# Allegro board reComputer J401_V1.0.brd (continued)
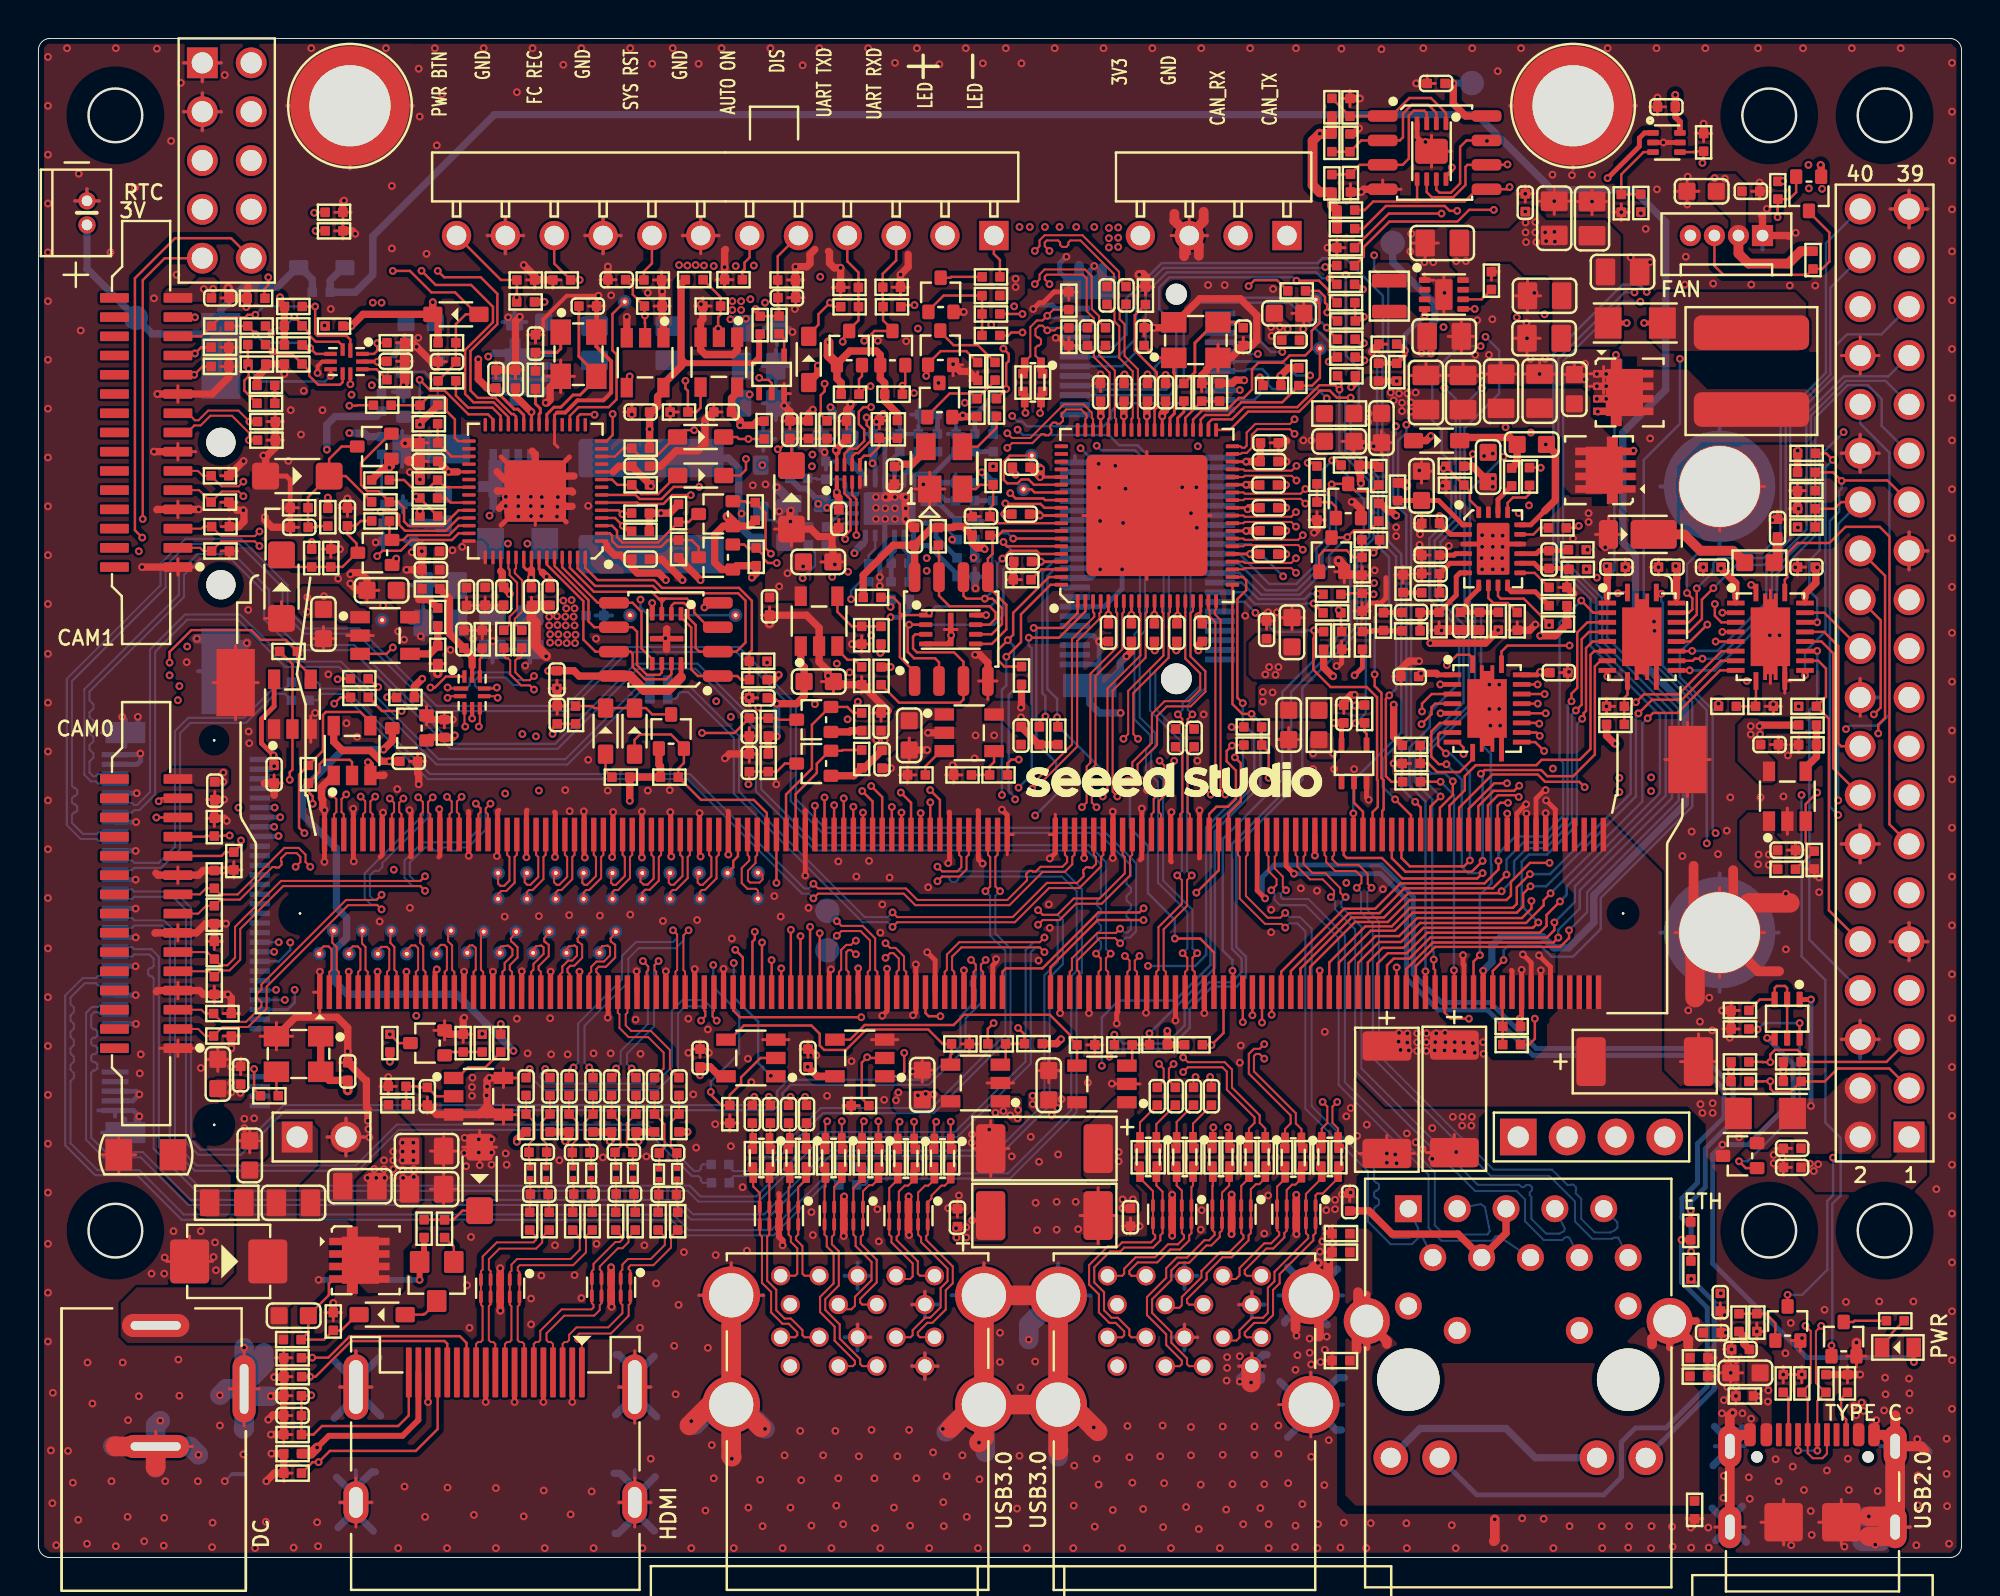
[diagram p0: board, top side]
## Routing (per net, layer and track width the routed paths; a pad name or vN(x,y) marks a point on that pad's centre or on a via; arc(x,y) is an arc through that point) (continued)
  TOP w0.127: J11.122 v1(44.87,38.74) ; J9.12 8.67,37.49 8.7,37.52 D19.2 9.52,37.52 9.55,37.55 v1(9.94,37.55)
  LAY4 w0.127: v1(9.94,37.55) 9.94,37.3 10.53,36.71 13.58,36.71 14.69,37.83 19.87,37.83 20.31,37.4 43.9,37.4 44.87,38.37 v1(44.87,38.74)
CAM1_PWDN: length 38.3
  TOP w0.127: U45.2 16.31,41.37 16.19,41.49 14.85,41.49 14.62,41.26 14.62,40.86 R284.1 14.03,39.82 14.26,39.59 v1(14.26,39.2) ; v1(44.37,39.03) J11.120
  LAY4 w0.127: v1(14.26,39.2) 14.26,38.81 15.01,38.06 20.43,38.06 20.82,37.68 43.65,37.68 44.37,38.4 v1(44.37,39.03)
CAM1_PWDN_LS: length 17.2
  TOP w0.127: U45.4 17.26,43.45 16.74,43.97 14.95,43.97 14.79,43.82 14.79,41.96 R284.2 13.55,40.71 13.55,37.95 v1(13.83,37.68) ; v1(10.53,37.29) 10.53,37.06 D18.2 9.72,36.69 9.52,36.49 J9.11
  LAY4 w0.127: v1(13.83,37.68) 13.17,37.01 10.81,37.01 v1(10.53,37.29)
CAM_I2C_SCL: length 149.3
  TOP w0.127: v1(11.29,63.61) 11.29,63.64 R209.1 R208.1 ; U28.66 52.31,54.59 52.11,54.8 50.33,54.8 50.3,54.82 v1(50.28,54.82) ; R196.2 13.9,62.87 14.11,62.87 v1(14.13,62.89) 14.43,62.6 U36.3 ; v1(79.12,34.12) 78.42,33.42 78.42,32.85 78.07,32.49 72.22,32.49 71.15,31.43 70.17,31.43 69.62,30.89 J11.213
  LAY3 w0.127: v1(50.74,65.07) 50.43,64.76 50.43,63.58 52.95,61.07 52.95,55.96 51.73,54.74 50.75,54.74 50.67,54.82 v1(50.28,54.82)
  LAY4 w0.127: v1(14.13,62.89) 16.19,62.89 19.04,65.74 20.03,65.74 20.66,66.38 26.76,66.38 27.55,65.59 28.21,65.59 29.13,66.52 35.39,66.52 35.42,66.49 39.63,66.49 40.17,65.95 48.07,65.95 48.95,65.07 v1(50.74,65.07) 51.01,65.35 54.81,65.35 56.86,67.39 65.75,67.39 67.07,66.07 68.08,66.07 68.72,66.71 82.74,66.71 v1(83.63,65.82)
  BOTTOM w0.127: v1(79.12,34.12) 79.4,34.4 79.4,34.41 79.46,34.48 79.46,34.91 84.31,39.76 84.31,43.8 80.71,47.4 80.71,49.84 78.78,51.77 78.78,62.59 82.38,66.2 83.25,66.2 v1(83.63,65.82) ; v1(11.29,63.61) 11.72,63.18 13.85,63.18 v1(14.13,62.89)
CAM_I2C_SDA: length 147.5
  TOP w0.127: R173.1 10.71,60.68 10.71,61.21 10.93,61.44 v1(10.93,61.83) 10.93,62.03 R192.2 10.9,62.51 10.89,62.52 R197.1 ; v1(15.19,61.45) U36.5 ; U28.65 52.34,54.99 52.26,55.08 50.81,55.08 v1(50.53,55.35) ; J11.215 70.12,30.8 70.47,31.15 71.28,31.15 72.38,32.24 78.43,32.24 78.83,32.63 v1(78.83,33.03)
  LAY3 w0.127: v1(50.53,55.35) 50.84,55.05 51.6,55.05 52.72,56.17 52.72,60.94 v1(49.54,64.12)
  LAY4 w0.127: v1(15.19,61.45) 19.18,65.44 20.05,65.44 20.66,66.05 26.77,66.05 27.45,65.36 28.3,65.36 29.2,66.26 35.32,66.26 35.33,66.26 39.54,66.26 40.07,65.72 47.94,65.72 v1(49.54,64.12) 49.94,64.12 50.01,64.19 51.55,64.19 52.36,65.01 54.88,65.01 56.98,67.11 65.67,67.11 66.94,65.84 68.21,65.84 68.82,66.45 82.33,66.45 v1(82.99,65.79)
  BOTTOM w0.127: v1(10.93,61.83) 11.61,61.16 14.9,61.16 v1(15.19,61.45) ; v1(78.83,33.03) 79.9,34.09 79.9,34.91 84.62,39.63 84.62,43.9 81.01,47.51 81.01,49.86 79.03,51.84 79.03,62.35 82.47,65.79 v1(82.99,65.79)
CAM_MUX_OE*: length 1.5
  TOP w0.127: R186.1 17.58,61.8 U36.8
CAM_MUX_SEL: length 59.3
  TOP w0.127: R200.1 17.64,63.18 v1(17.61,63.15) 17.61,62.76 17.45,62.6 U36.10 ; J11.130 46.87,39.4 v1(46.37,39.91)
  LAY3 w0.127: v1(45.73,63.91) 45.73,63.52 45.66,63.44 45.66,61.04 46.67,60.03 46.67,51.21 45.88,50.43 45.88,48.28 45.78,48.18 45.78,40.89 46.37,40.3 v1(46.37,39.91)
  LAY4 w0.127: v1(45.73,63.91) 40.19,63.91 39.48,63.2 29.55,63.2 28.23,64.52 26.38,64.52 25.84,65.06 23.86,65.06 23.71,64.9 19.37,64.9 v1(17.61,63.15)
CAN_RX: length 50.3
  TOP w0.127: v1(57.47,33.76) 57.25,33.55 55.12,33.55 52.21,30.64 50.3,30.64 50.12,30.47 J11.143
  LAY3 w0.127: J16.2 63.42,67.71 63.42,63.14 63.94,62.62 63.94,61.02 64.12,60.84 64.12,55.72 64.02,55.62 64.02,50.71 64.88,49.84 64.88,44.05 64.6,43.77 64.6,40.55 61.71,37.65 59.42,37.65 58.51,36.74 58.51,34.81 v1(57.47,33.76)
CAN_TX: length 48.5
  TOP w0.127: v1(57.47,33.15) 55.08,33.15 52.62,30.7 J11.145
  LAY3 w0.127: v1(57.47,33.15) 58.81,34.5 58.81,36.63 59.6,37.42 61.8,37.42 64.83,40.45 64.83,43.68 65.16,44.01 65.16,49.99 64.3,50.86 64.3,55.51 64.4,55.61 64.4,60.94 64.2,61.14 64.2,62.75 63.65,63.29 63.65,67.48 J16.1
CCM/AAM_DC1: length 3.6
  BOTTOM w0.254: R77.2 R89.1 C188.1 47.18,54.97 46.85,55.3 U9.7
CCM/AAM_DC2: length 3.8
  TOP w0.254: R251.2 R272.1 C191.1 74.28,49.49 74.28,49.77 74.9,50.38 U10.7
CGND: length 13.9
  TOP w0.381: 84.83,10.92 J6.20 86.2,12.3 ; 69.08,13.68 J6.19 69.08,10.92
  TOP w0.508: 85.79,10.98 85.79,11.34 J6.20 83.91,11.38 83.91,11.08 ; 68.62,13.8 68.62,12.76 J6.19 ; 68.54,10.8 68.54,11.77 J6.19 ; 70.12,11.11 70.12,11.26 J6.19
COMP_DC1: length 2.9
  BOTTOM w0.254: C185.1 C189.1 45.41,57.16 45.41,56.74 45.01,56.33 U9.5
COMP_DC2: length 2.6
  TOP w0.254: C182.1 C192.1 73.4,51.71 U10.5
CSI0_CLK_N: length 30
  TOP w0.107: D35.2 v1(10.95,58.11) 10.95,58.49 10.06,59.38 8.94,59.38 8.43,58.87 8.1,58.87 7.74,58.51 J12.8 ; v1(16.76,39.57) 16.99,39.34 16.99,38.77 16.87,38.66 J11.10
  LAY3 w0.084: v1(10.95,58.11) 10.97,58.11 11.34,58.47 11.72,58.47 12.17,58.02 12.17,54.09 12.93,53.33 12.93,43.5 15.15,41.27 16.07,41.27 17,40.34 17,39.82 v1(16.76,39.57)
CSI0_CLK_P: length 29.9
  TOP w0.107: J11.12 17.37,38.66 17.26,38.77 17.26,39.32 v1(17.51,39.57) ; D36.2 v1(10.97,59.08) 10.4,59.65 8.83,59.65 8.32,59.14 8.13,59.14 7.77,59.51 J12.9
  LAY3 w0.084: v1(17.51,39.57) 17.24,39.84 17.24,40.44 16.17,41.51 15.25,41.51 13.17,43.59 13.17,53.42 12.41,54.19 12.41,58.12 11.82,58.71 11.34,58.71 v1(10.97,59.08)
CSI0_D0_N: length 22.9
  TOP w0.107: J12.2 8.41,52.51 8.57,52.34 D25.2 9.51,52.85 11.25,52.85 v1(11.49,52.61) ; v1(15.25,39.69) 15.49,39.44 15.49,38.77 15.37,38.66 J11.4
  LAY3 w0.084: v1(11.49,52.61) 11.75,52.87 11.95,52.87 12.12,52.69 12.12,52.28 12.04,52.19 11.98,52.19 11.9,52.11 11.9,51.94 11.98,51.86 12.04,51.86 12.12,51.78 12.12,42.78 14.57,40.33 15.31,40.33 15.51,40.13 15.51,39.95 v1(15.25,39.69)
CSI0_D0_P: length 23
  TOP w0.107: v1(16,39.69) 15.76,39.44 15.76,38.77 15.88,38.66 J11.6 ; v1(11.49,53.36) 11.25,53.12 9.5,53.12 D26.2 8.57,53.61 8.47,53.51 J12.3
  LAY3 w0.084: v1(11.49,53.36) 11.75,53.1 12.05,53.1 12.36,52.79 12.36,42.88 14.67,40.57 15.4,40.57 15.74,40.23 15.74,39.95 v1(16,39.69)
CSI0_D1_N: length 31.9
  TOP w0.107: v1(18.27,39.47) 18.49,39.26 18.49,38.77 18.37,38.66 J11.16 ; J12.5 8.35,55.51 D27.2 9.53,55.44 10.41,55.44 v1(10.66,55.2)
  LAY3 w0.084: v1(10.66,55.2) 10.4,55.46 10.12,55.46 9.77,55.1 9.77,54.75 9.85,54.66 9.89,54.66 9.97,54.58 9.97,54.41 9.89,54.33 9.85,54.33 9.77,54.24 9.77,54.07 9.85,53.99 9.89,53.99 9.97,53.91 9.97,53.74 9.89,53.66 9.85,53.66 9.77,53.57 9.77,53.12 11.58,51.31 11.58,41.27 14.49,38.36 16.39,38.36 16.48,38.45 16.48,38.51 16.56,38.59 16.73,38.59 16.81,38.51 16.81,38.45 16.9,38.36 17.06,38.36 17.15,38.45 17.15,38.51 17.23,38.59 17.4,38.59 17.48,38.51 17.48,38.45 17.57,38.36 18.3,38.36 18.51,38.57 18.51,39.24 v1(18.27,39.47)
CSI0_D1_P: length 32
  TOP w0.107: v1(10.66,55.95) 10.41,55.71 9.52,55.71 D31.2 8.55,56.26 8.29,56.51 J12.6 ; J11.18 18.87,38.66 18.76,38.77 18.76,39.26 v1(18.98,39.47)
  LAY3 w0.084: v1(18.98,39.47) 18.74,39.24 18.74,38.47 18.4,38.13 14.39,38.13 11.34,41.18 11.34,51.21 9.53,53.02 9.53,55.2 10.02,55.69 10.39,55.69 v1(10.66,55.95)
CSI1_CLK_N: length 3.2
  TOP w0.107: TP2.1 16.15,31.6 16.34,31.78 16.6,31.78 16.74,31.64 16.74,30.57 16.62,30.46 J11.9
CSI1_CLK_P: length 3.3
  TOP w0.107: J11.11 17.12,30.46 17.01,30.57 17.01,31.75 16.83,31.94 16.83,32.58 TP9.1
CSI1_D0_N: length 3.2
  TOP w0.107: J11.3 15.12,30.46 15.24,30.57 15.24,31.63 15.09,31.78 14.82,31.78 14.6,31.56 TP1.1
CSI1_D0_P: length 3.4
  TOP w0.107: J11.5 15.62,30.46 15.51,30.57 15.51,31.74 15.28,31.98 15.28,32.53 TP8.1
CSI1_D1_N: length 3.2
  TOP w0.107: J11.15 18.12,30.46 18.24,30.57 18.24,31.64 18.12,31.76 17.82,31.76 17.65,31.59 TP3.1
CSI1_D1_P: length 3.4
  TOP w0.107: J11.17 18.62,30.46 18.51,30.57 18.51,31.75 18.3,31.96 18.3,32.55 TP10.1
CSI2_CLK_N: length 21.3
  TOP w0.107: v1(13.38,35.92) 13.62,36.17 13.62,36.44 13.42,36.63 12.89,36.63 12.62,36.36 12.62,36.21 12.64,36.18 12.64,36.03 12.49,35.88 12.34,35.88 12.32,35.91 12.16,35.91 10.47,34.21 9.46,34.21 D16.2 8.71,33.89 8.31,33.49 J9.8 ; J11.28 21.37,38.66 21.49,38.77 21.49,39.32 v1(21.25,39.56)
  LAY3 w0.084: v1(13.38,35.92) 13.63,36.17 13.63,36.58 14.35,37.31 18.79,37.31 19.78,38.29 21.22,38.29 21.51,38.57 21.51,39.3 v1(21.25,39.56)
CSI2_CLK_P: length 21.5
  TOP w0.107: J11.30 21.87,38.66 21.76,38.77 21.76,39.32 v1(22,39.56) ; J9.9 8.4,34.49 8.71,34.8 D17.2 9.46,34.48 10.36,34.48 12.78,36.9 13.53,36.9 13.89,36.55 13.89,36.17 v1(14.13,35.92)
  LAY3 w0.084: v1(22,39.56) 21.74,39.3 21.74,38.48 21.32,38.06 19.87,38.06 18.89,37.07 14.45,37.07 13.86,36.49 13.86,36.19 v1(14.13,35.92)
CSI2_D0_N: length 24.1
  TOP w0.107: v1(17.84,33.71) 17.62,33.93 16.1,33.93 11.86,29.69 11.86,28.55 10.91,27.59 9.82,27.59 9.62,27.59 9.57,27.59 D12.2 8.67,27.12 8.31,27.49 J9.2 ; v1(19.75,39.54) 19.99,39.29 19.99,38.77 19.87,38.66 J11.22
  BOTTOM w0.107: v1(19.75,39.54) 19.99,39.29 19.99,38.6 16.96,35.58 16.96,34.29 17.3,33.95 17.6,33.95 v1(17.84,33.71)
CSI2_D0_P: length 23.9
  TOP w0.107: v1(20.5,39.54) 20.26,39.29 20.26,38.77 20.37,38.66 J11.24 ; v1(17.84,34.47) 17.57,34.2 15.99,34.2 11.59,29.8 11.59,29.53 11.49,29.43 11.47,29.43 11.37,29.32 11.37,29.11 11.47,29 11.49,29 11.59,28.89 11.59,28.66 10.8,27.86 9.82,27.86 9.57,27.86 9.53,27.86 D13.2 8.67,28.29 8.48,28.49 J9.3
  BOTTOM w0.107: v1(20.5,39.54) 20.26,39.29 20.26,38.49 17.89,36.12 17.89,35.92 17.69,35.72 17.48,35.72 17.23,35.47 17.23,34.4 17.41,34.22 17.6,34.22 v1(17.84,34.47)
CSI2_D1_N: length 26
  TOP w0.107: v1(22.75,39.21) 22.99,38.96 22.99,38.77 22.87,38.66 J11.34 ; v1(20.1,34.67) 19.86,34.92 12.72,34.92 10.49,32.69 10.49,31.09 9.94,30.53 9.46,30.53 D14.2 8.87,30.49 J9.5
  BOTTOM w0.107: v1(22.75,39.21) 22.99,38.96 22.99,37.97 22.21,37.19 19.98,37.19 19.04,36.25 19.04,35.34 19.46,34.92 19.86,34.92 v1(20.1,34.67)
CSI2_D1_P: length 25.8
  TOP w0.107: J9.6 8.78,31.49 D15.2 9.46,30.8 9.82,30.8 10.22,31.2 10.22,32.8 12.61,35.19 19.86,35.19 v1(20.1,35.43) ; v1(23.5,39.21) 23.26,38.96 23.26,38.77 23.37,38.66 J11.36
  BOTTOM w0.107: v1(20.1,35.43) 19.86,35.19 19.57,35.19 19.31,35.45 19.31,36.14 20.09,36.92 20.43,36.92 20.6,36.76 20.86,36.76 21.02,36.92 21.29,36.92 21.45,36.76 21.71,36.76 21.88,36.92 22.32,36.92 23.26,37.86 23.26,38.96 v1(23.5,39.21)
CSI3_CLK_N: length 3.3
  TOP w0.107: TP5.1 20.7,31.64 20.92,31.86 21.11,31.86 21.24,31.73 21.24,30.57 21.12,30.46 J11.27
CSI3_CLK_P: length 3.4
  TOP w0.107: J11.29 21.62,30.46 21.51,30.57 21.51,31.84 21.3,32.05 21.3,32.45 TP12.1
CSI3_D0_N: length 3.3
  TOP w0.107: J11.21 19.62,30.46 19.74,30.57 19.74,31.69 19.6,31.83 19.39,31.83 19.15,31.59 TP4.1
CSI3_D0_P: length 3.3
  TOP w0.107: TP11.1 19.85,32.55 19.85,31.96 20.01,31.8 20.01,30.57 20.12,30.46 J11.23
CSI3_D1_N: length 3.2
  TOP w0.107: J11.33 22.62,30.46 22.74,30.57 22.74,31.71 22.56,31.84 22.41,31.82 22.28,31.65 TP6.1
CSI3_D1_P: length 3.2
  TOP w0.107: J11.35 23.12,30.46 23.01,30.57 23.01,32.37 TP7.1
CSI4_CLK_N: length 3.7
  TOP w0.107: J11.52 27.37,36.54 27.49,36.43 27.49,35.39 27.08,34.98 26.95,34.98 26.81,35.12 26.81,35.51 TP23.1
CSI4_CLK_P: length 3.8
  TOP w0.107: TP15.1 26.9,34.58 27.03,34.71 27.19,34.71 27.76,35.28 27.76,36.43 27.87,36.54 J11.54
CSI4_D0_N: length 3.7
  TOP w0.107: J11.46 25.87,36.54 25.99,36.43 25.99,35.39 25.58,34.98 25.42,34.98 25.29,35.12 25.29,35.49 TP22.1
CSI4_D0_P: length 3.9
  TOP w0.107: J11.48 26.37,36.54 26.26,36.43 26.26,35.28 25.69,34.71 25.51,34.71 25.4,34.61 TP14.1
CSI4_D1_N: length 3.7
  TOP w0.107: TP24.1 28.28,35.53 28.28,35.09 28.39,34.98 28.53,34.98 28.99,35.44 28.99,36.43 28.87,36.54 J11.58
CSI4_D1_P: length 3.9
  TOP w0.107: TP16.1 28.35,34.58 28.48,34.71 28.64,34.71 29.26,35.33 29.26,36.43 29.37,36.54 J11.60
CSI4_D2_N: length 3.7
  TOP w0.107: TP21.1 23.9,35.05 24.02,34.93 24.22,34.93 24.49,35.2 24.49,36.43 24.37,36.54 J11.40
CSI4_D2_P: length 3.9
  TOP w0.107: TP13.1 23.9,34.5 24.07,34.66 24.33,34.66 24.76,35.09 24.76,36.43 24.87,36.54 J11.42
CSI4_D3_N: length 3.7
  TOP w0.107: J11.64 30.37,36.54 30.49,36.43 30.49,35.44 30.03,34.98 29.89,34.98 29.78,35.09 29.78,35.53 TP25.1
CSI4_D3_P: length 3.9
  TOP w0.107: J11.66 30.87,36.54 30.76,36.43 30.76,35.33 30.14,34.71 29.96,34.71 29.85,34.61 TP17.1
CSI5_CLK_N: length 3.7
  TOP w0.107: TP27.1 32.78,35.53 32.78,35.09 32.89,34.98 33.03,34.98 33.49,35.44 33.49,36.43 33.37,36.54 J11.76
CSI5_CLK_P: length 3.9
  TOP w0.107: TP19.1 32.85,34.58 32.98,34.71 33.14,34.71 33.76,35.33 33.76,36.43 33.87,36.54 J11.78
CSI5_D0_N: length 3.7
  TOP w0.107: TP26.1 31.3,35.5 31.3,35.16 31.46,35 31.68,35 31.99,35.31 31.99,36.43 31.87,36.54 J11.70
CSI5_D0_P: length 3.9
  TOP w0.107: TP18.1 31.4,34.58 31.55,34.73 31.79,34.73 32.26,35.2 32.26,36.43 32.37,36.54 J11.72
CSI5_D1_N: length 3.7
  TOP w0.107: TP28.1 34.27,35.51 34.28,35.1 34.41,34.98 34.54,34.98 34.99,35.43 34.99,36.43 34.87,36.54 J11.82
CSI5_D1_P: length 3.9
  TOP w0.107: J11.84 35.37,36.54 35.26,36.43 35.26,35.32 34.66,34.72 34.49,34.71 34.39,34.6 TP20.1
DAT_CC1: length 2.3
  TOP w0.127: R2.1 91,8.32 J1.A5
DAT_CC2: length 2.5
  TOP w0.127: J1.B5 94,7.18 93.74,7.44 93.74,8.26 R3.1
DCIN_SENSE: length 3.7
  TOP w0.127: U43.2 20.68,23.99 C187.1 19.78,24.45 19.73,24.51 R246.1 19.11,24.06 19.12,24.06 R247.2
DCJ_IN: length 7.5
  TOP w0.305: v1(19.82,14.44) Q35.2 20.05,15.61 R259.1
  BOTTOM w0.305: v1(19.82,14.44) v1(14.57,14.44)
DISCHG_3V3_SYS: length 5.1
  BOTTOM w0.127: R255.2 17.84,61.25 18.26,61.66 Q10.1 20.07,61.66 20.76,60.97 Q9.3
EN_DC1: length 5.3
  BOTTOM w0.127: C25.1 39.22,56.9 R13.2 40.43,56.12 40.48,56.07 R24.1 41.79,56.07 42,55.86 42,55.46 42.15,55.3 U9.20
EN_PWR_PATH: length 13.4
  TOP w0.127: Q4.1 88.78,20.25 v1(88.43,20.61) ; Q11.6 v1(91.58,27.79) ; R79.1 88.96,27.46 v1(89.39,27.46)
  BOTTOM w0.127: v1(88.43,20.61) 88.89,20.61 91.58,23.3 v1(91.58,27.79) 89.72,27.79 v1(89.39,27.46)
EPWRON: length 5.8
  TOP w0.127: TP34.1 50.51,57.31 50.2,57 50.2,56.82 50.2,56.04 50.38,55.86 50.91,55.86 51.12,56.07 51.49,56.07 51.76,55.79 U28.63
FAN_PWM: length 48.2
  TOP w0.127: U11.4 86.1,73.09 86.15,73.13 R217.1 86.59,72.59 v1(86.52,72.52) ; J11.230 73.87,38.99 75.6,40.72 77.96,40.72 78.35,40.34 80.12,40.34 v1(80.4,40.06)
  LAY3 w0.127: v1(80.4,40.06) 80.71,40.37 80.71,44.43 80.25,44.89 80.25,48.34 79.08,49.51 79.08,54.44 79.64,55 79.64,65.64 82.79,68.79 82.79,70.54 84.77,72.52 v1(86.52,72.52)
FAN_PWM_Q*: length 3.1
  TOP w0.127: R270.2 v1(83.32,69.91)
  LAY3 w0.127: J13.4 84.74,69.91 v1(83.32,69.91)
FAN_TACH: length 57.3
  TOP w0.127: v1(90.44,69.7) 90.44,70.12 90.45,70.14 R218.2 91.05,70.64 91.4,71 Q33.2 ; J11.208 v1(68.38,38.7)
  LAY4 w0.127: v1(90.44,69.7) 85.46,69.7 82.69,66.94 70.64,66.94 69.85,67.72 v1(69.46,67.72)
  BOTTOM w0.127: v1(68.38,38.7) 68.38,40.41 70.87,42.9 70.87,52.19 70.19,52.86 70.19,58.25 69.89,58.55 69.89,62.21 70.19,62.52 70.19,66.25 69.46,66.99 v1(69.46,67.72)
FAN_TACH_CON: length 11.1
  TOP w0.127: Q33.3 92.07,69.97 93.13,68.91 93.13,67.39 92.75,67.01 R235.2 91.97,66.71 87.62,66.71 87.15,67.17 J13.3
FB_0.8V_DC1: length 4.9
  BOTTOM w0.254: C184.2 R68.2 R88.1 46.55,56.34 45.68,56.34 45.51,56.17 U9.6
FB_0.8V_DC2: length 4.8
  TOP w0.254: U10.6 73.92,51.21 73.72,51.01 73.72,50.05 R253.1 71.85,49.16 C181.2 R250.2
FORCE_OFF*: length 14.8
  TOP w0.127: v1(34.1,58.63) 33.59,58.63 D34.1 33.13,58.27 32.07,57.21 31.34,57.21 R156.2 30.41,57.69 29.98,57.26 U29.12 ; v1(38.44,57.64) 38.53,57.64 C130.1 ; C130.1 R164.1 R165.2 ; C130.1 39.16,58.11 D29.2
  LAY4 w0.127: v1(34.1,58.63) 35.14,57.59 38,57.59 38.05,57.64 v1(38.44,57.64)
FORCE_RECOVERY*: length 76.5
  TOP w0.127: v1(28.14,66.44) D47.2 26.82,67.3 J15.10 ; v1(69.48,45.93) 69.48,45.32 69.84,44.97 69.84,40.54 69.95,40.43 69.95,38.91 69.87,38.83 J11.214
  LAY4 w0.127: v1(28.14,66.44) 28.19,66.44 29.37,67.62 40.32,67.62 41.67,66.28 48.17,66.28 48.86,65.59 54.67,65.59 56.7,67.62 67.07,67.62 v1(67.98,66.71)
  BOTTOM w0.127: v1(69.48,45.93) 69.48,48.88 70.23,49.63 70.23,52.01 69.66,52.59 69.66,56.19 68.24,57.61 68.24,59.57 68.67,60 68.67,61.83 67.98,62.52 v1(67.98,66.71)
FREQ_DC1: length 2
  BOTTOM w0.254: U9.8 46.85,54.8 47.4,54.25 47.43,54.25 R94.1
FREQ_DC2: length 2.5
  TOP w0.127: R275.1 76.41,49.64 75.65,49.64 75.4,49.9 U10.8
GBE_LED_ACT: length 41.7
  TOP w0.254: v1(85.94,15.91) 85.94,15.43 R6.1 ; J11.194 64.87,35.97 v1(65.29,35.56)
  BOTTOM w0.254: v1(65.29,35.56) 69.79,35.56 71.13,34.22 71.13,30.11 72.76,28.48 75.35,28.48 77.71,26.12 85.89,26.12 87.64,24.37 87.64,22.89 86.27,21.52 86.27,19.49 85.46,18.68 85.46,17.66 85.94,17.18 v1(85.94,15.91)
GBE_LED_LINK: length 44.5
  TOP w0.254: J11.188 63.37,34.69 v1(63.78,34.28) ; R9.1 v1(85.92,18.05)
  BOTTOM w0.254: v1(85.92,18.05) 85.92,18.5 86.68,19.26 86.68,21.27 88.12,22.71 88.12,24.47 86.12,26.47 77.89,26.47 75.5,28.86 72.96,28.86 71.49,30.33 71.49,34.37 69.84,36.02 64.27,36.02 63.64,35.39 63.64,34.42 v1(63.78,34.28)
GBE_MDI0_N: length 28.8
  TOP w0.102: v1(64.83,32.76) 64.64,32.95 63.78,32.95 62.46,34.27 62.46,36.45 62.37,36.53 J11.184
  BOTTOM w0.102: v1(64.83,32.76) 65.05,32.98 65.47,32.98 65.88,32.57 65.88,23.34 69.13,20.09 69.13,17.47 70.31,16.29 71.43,16.29 71.77,16.64 71.85,16.68 71.99,16.63 J6.2
GBE_MDI0_P: length 28.6
  TOP w0.102: J11.186 62.87,36.53 62.79,36.45 62.79,34.41 63.92,33.28 64.58,33.28 v1(64.83,33.53)
  BOTTOM w0.102: J6.1 71.75,17.11 71.71,16.97 71.58,16.91 71.29,16.62 70.45,16.62 69.46,17.61 69.46,18.17 69.56,18.27 69.61,18.27 69.71,18.37 69.71,18.58 69.61,18.68 69.56,18.68 69.46,18.78 69.46,18.98 69.56,19.09 69.61,19.09 69.71,19.19 69.71,19.39 69.61,19.49 69.56,19.49 69.46,19.59 69.46,20.23 66.2,23.48 66.2,32.7 65.6,33.3 65.06,33.3 v1(64.83,33.53)
GBE_MDI1_N: length 31
  TOP w0.102: J11.190 63.87,36.53 63.96,36.45 63.96,35.7 64.38,35.28 64.38,34.98 v1(64.11,34.7)
  BOTTOM w0.102: J6.6 76.61,16.25 75.9,16.72 75.76,16.69 75.66,16.55 75.59,16.48 72.95,16.48 72.28,17.14 72.28,19.91 67.61,24.59 67.61,32.21 65.89,33.92 64.56,33.92 64.28,34.2 64.28,34.53 v1(64.11,34.7)
GBE_MDI1_P: length 30.8
  TOP w0.102: v1(64.87,34.7) 64.71,34.87 64.71,35.41 64.29,35.83 64.29,36.45 64.38,36.53 J11.192
  BOTTOM w0.102: J6.3 74.99,18.38 75.22,18.23 75.47,16.98 75.35,16.8 73.08,16.8 72.61,17.28 72.61,20.05 67.93,24.72 67.93,32.34 66.03,34.25 64.7,34.25 64.6,34.34 64.6,34.53 64.78,34.7 v1(64.87,34.7)
GBE_MDI2_N: length 30.8
  TOP w0.102: v1(67.21,34.35) 67.25,34.35 67.37,34.48 67.37,34.68 67.23,34.82 66.78,35.27 66.12,35.27 65.46,35.93 65.46,36.45 65.38,36.53 J11.196
  BOTTOM w0.102: v1(67.21,34.35) 67.43,34.12 67.43,33.71 68.47,32.67 68.47,25.3 74.71,19.06 76.86,19.06 77.3,18.62 77.3,17.48 78.27,16.52 79.25,16.52 79.34,16.61 79.47,16.68 79.61,16.63 J6.8
GBE_MDI2_P: length 30.6
  TOP w0.102: J11.198 65.87,36.53 65.79,36.45 65.79,36.06 66.26,35.59 66.92,35.59 67.46,35.05 67.7,34.81 67.7,34.56 67.91,34.35 v1(67.97,34.35)
  BOTTOM w0.102: J6.7 79.37,17.11 79.33,16.97 79.15,16.88 79.11,16.84 78.4,16.84 77.63,17.62 77.63,18.76 77.55,18.84 77.55,18.98 77.67,19.11 77.67,19.25 77.55,19.37 77.36,19.37 77.26,19.27 77.12,19.27 77,19.39 74.84,19.39 68.8,25.43 68.8,32.8 67.75,33.84 67.75,34.13 v1(67.97,34.35)
GBE_MDI3_N: length 31.9
  TOP w0.102: J11.202 66.87,36.53 66.96,36.45 66.96,36.17 67.43,35.7 68.51,35.7 68.8,35.41 68.8,35.07 v1(68.55,34.83)
  BOTTOM w0.102: v1(68.55,34.83) 68.78,34.61 68.78,33.55 69.38,32.94 69.38,25.98 75.52,19.85 78.57,19.85 79.9,18.52 79.9,17.47 80.79,16.58 81.82,16.58 81.93,16.64 82.14,16.64 82.16,16.62 J6.10
GBE_MDI3_P: length 31.7
  TOP w0.102: J11.204 67.38,36.53 67.29,36.45 67.29,36.3 67.56,36.02 68.64,36.02 69.12,35.55 69.12,35.03 v1(69.32,34.83)
  BOTTOM w0.102: v1(69.32,34.83) 69.1,34.61 69.1,33.69 69.71,33.08 69.71,26.12 75.65,20.17 78.7,20.17 79.51,19.37 79.65,19.37 79.67,19.39 79.82,19.39 79.96,19.25 79.96,19.1 79.94,19.08 79.94,18.94 80.23,18.65 80.23,17.61 80.93,16.91 81.74,16.91 81.99,17.03 82.1,17.15 82.1,17.43 J6.9
GPIO01: length 56
  TOP w0.127: v1(43.3,40.12) 43.87,39.55 J11.118 ; U37.9 v1(81.58,45.82)
  LAY3 w0.127: v1(43.3,40.12) 43.3,40.52 43.02,40.8 43.02,47.68 v1(43.29,47.96) ; v1(81.04,50.96) 81.04,46.36 v1(81.58,45.82)
  LAY4 w0.127: v1(43.29,47.96) 43.69,47.96 44.31,47.34 54.13,47.34 54.9,48.11 65.62,48.11 66.13,48.62 67.86,48.62 68.62,49.38 69.96,49.38 71.54,50.96 v1(81.04,50.96)
GPIO01_LS: length 25.2
  TOP w0.127: U37.12 v1(85.86,46.14)
  BOTTOM w0.127: J10.29 95.85,58.85 95.85,60.25 95.13,60.97 94.08,60.97 92.39,59.28 92.39,53.14 90.39,51.14 90.39,49.37 87.16,46.14 v1(85.86,46.14)
GPIO07: length 19.3
  TOP w0.127: J11.206 67.87,36.53 68.03,36.38 69.86,36.38 70.93,35.31 74.82,35.31 v1(75.09,35.59) ; U19.7 72.87,43.41 72.43,42.96 72.43,41.65 72.82,41.26 v1(73.21,41.26)
  BOTTOM w0.127: v1(75.09,35.59) 74.33,35.59 74.02,35.91 74.02,40.46 v1(73.21,41.26)
GPIO07_LS: length 37.1
  TOP w0.127: U19.14 78,43.41 v1(78.04,43.37)
  LAY4 w0.127: v1(93.99,43.09) 93.1,42.2 87.97,42.2 87.44,42.73 79.07,42.73 78.43,43.37 v1(78.04,43.37)
  BOTTOM w0.127: J10.32 94.73,58.98 96.25,57.46 96.25,43.85 95.67,43.26 94.17,43.26 v1(93.99,43.09)
GPIO09: length 29.1
  TOP w0.127: U37.6 80.81,47.64 80.47,47.3 80.47,44.03 80.35,43.91 80.35,43.7 v1(80.28,43.62) ; J11.211 69.12,30.94 69.89,31.71 70.98,31.71 72.02,32.75 77.71,32.75 v1(77.99,33.03)
  BOTTOM w0.127: v1(80.28,43.62) 80,43.34 80,42.96 80,42.96 80,38.11 78.45,36.56 77.51,36.56 77.13,36.18 77.13,33.89 v1(77.99,33.03)
GPIO09_LS: length 30.2
  TOP w0.127: v1(86.78,48.52) 85.89,47.64 U37.15
  LAY4 w0.127: J10.7 96,30.76 96,35.08 95.24,35.85 93.99,35.85 92.44,37.4 87.49,37.4 v1(87.21,37.68)
  BOTTOM w0.127: v1(87.21,37.68) 87.06,37.83 87.06,44.09 85.36,45.79 85.36,47.1 v1(86.78,48.52)
GPIO11: length 23
  TOP w0.127: J11.216 70.38,36.38 71.08,35.67 74.54,35.67 v1(75.09,36.23) ; U37.8 81.23,46.64 80.93,46.34 80.93,41.76 79.81,40.63 78.46,40.63 78.14,40.95 75.2,40.95 v1(75.01,40.76)
  BOTTOM w0.127: v1(75.01,40.76) 75.09,40.67 v1(75.09,36.23)
GPIO11_LS: length 23.2
  TOP w0.127: U37.13 86.02,46.64 86.13,46.74 v1(86.52,46.74)
  BOTTOM w0.127: v1(86.52,46.74) 87.34,46.74 90.14,49.55 90.14,51.25 92.16,53.27 92.16,59.37 93.99,61.2 96.04,61.2 J10.31
GPIO12: length 13.2
  TOP w0.127: J11.218 70.87,36.38 71.31,35.95 74.13,35.95 v1(74.43,36.25) ; U19.8 72.88,42.91 72.78,42.81 72.78,42.22 v1(73.19,41.82)
  BOTTOM w0.127: v1(73.19,41.82) 73.42,41.82 74.43,40.8 v1(74.43,36.25)
GPIO12_LS: length 21.5
  TOP w0.127: v1(78.07,42.73) 77.89,42.91 U19.13
  LAY4 w0.127: J10.15 95.74,41.18 88.28,41.18 87.57,41.89 78.9,41.89 v1(78.07,42.73)
GPIO13: length 16.3
  TOP w0.127: U37.7 80.9,47.14 80.7,46.94 80.7,42.04 80.14,41.49 78.17,41.49 77.89,41.21 74.74,41.21 74.17,40.63 74.17,39.9 73.38,39.11 J11.228
GPIO13_LS: length 23
  TOP w0.127: v1(85.99,47.15) 85.98,47.14 U37.14
  BOTTOM w0.127: J10.33 96.18,61.42 93.89,61.42 91.93,59.47 91.93,53.45 89.85,51.37 89.85,49.69 87.31,47.15 v1(85.99,47.15)
GREEN_LED: length 26.8
  TOP w0.254: R9.2 v1(85.44,16.53)
  BOTTOM w0.254: v1(85.44,16.53) 85.44,14.33 86.78,12.99 86.78,8.89 84.63,6.74 83.04,6.74 82.31,6 82.31,4.17 81.39,3.26 74.79,3.26 J6.16
HDMI_CEC: length 11.9
  TOP w0.127: D21.1 31,42.52 31.28,42.81 32.89,42.81 33.56,42.13 Q15.2 33.56,41.32 33.27,41.02 R84.2 34.45,39.4 37.2,39.4 37.87,38.73 J11.94
HDMI_CEC_CON: length 54.9
  TOP w0.127: L25.2 27.42,43.35 27.41,43.36 C73.1 26.73,43.11 v1(26.73,42.83) ; J5.13 22.26,11.16 21.91,11.51 16.19,11.51 15.07,10.4 v1(14.24,10.4) 14.23,10.39 D8.2
  LAY3 w0.127: v1(26.73,42.83) 26.73,37.09 26.45,36.81 26.45,35.85 25.67,35.06 23.76,35.06 22.34,33.64 22.34,32.34 22.82,31.86 22.82,27.54 21.36,26.08 21.36,18.02 18.49,15.15 14.07,15.15 13.22,14.3 13.22,11.81 14.24,10.79 v1(14.24,10.4)
HDMI_CEC_Q: length 5.1
  TOP w0.127: L25.1 28.8,44.28 28.9,44.18 D20.2 D21.2 31.59,44.18 31.91,43.85 Q15.3
HDMI_DDC_SCL: length 6.8
  TOP w0.127: R93.2 41.82,41.99 41.78,41.96 Q14.2 41.15,41.96 40.47,41.28 40.47,40.8 39.37,39.7 J11.100
HDMI_DDC_SCL_5V0: length 64.4
  TOP w0.127: Q14.3 38.81,41.29 38.39,40.87 R91.2 37.41,40.87 37.41,40.87 C62.1 36.96,40.26 v1(36.92,40.22) ; D3.2 v1(14.13,9.41) 14.41,9.41 16.26,11.26 21.11,11.26 21.26,11.12 J5.15
  LAY3 w0.127: v1(14.13,9.41) 14.11,9.41 13.6,9.91 13.6,11.04 12.99,11.65 12.99,14.39 13.97,15.37 18.39,15.37 21.13,18.11 21.13,26.35 21.73,26.94 21.73,31.71 22.03,32.01 22.03,34.48 23.58,36.02 25.59,36.02 26.02,36.46 v1(26.02,39.89)
  LAY4 w0.127: v1(36.92,40.22) 36.52,40.22 36.42,40.32 26.45,40.32 v1(26.02,39.89)
HDMI_DDC_SDA: length 9.4
  TOP w0.127: J11.98 38.87,39.68 40.22,41.03 40.22,43.31 41.15,44.24 Q17.2 42.06,44.24 42.37,43.92 R105.2
HDMI_DDC_SDA_5V0: length 74.7
  TOP w0.127: Q17.3 38.47,43.57 38.39,43.65 R102.2 C69.1 36.19,42.88 v1(34.51,42.88) ; D1.2 14.25,4.96 v1(14.57,4.96) 15.15,5.54 19.62,5.54 20.76,6.68 J5.16
  LAY3 w0.127: v1(14.57,4.96) 13.87,4.96 12.76,6.07 12.76,10.6 12.15,11.21 12.15,14.74 13.63,16.21 18.05,16.21 20.13,18.3 20.13,31.48 20.33,31.68 20.33,33.55 21.12,34.34 21.12,36.69 21.94,37.51 24.56,37.51 24.9,37.85 24.9,42.57 v1(25.16,42.83)
  LAY4 w0.127: v1(34.51,42.88) 27.37,42.88 26.96,43.29 25.62,43.29 v1(25.16,42.83)
HDMI_HPD: length 33.1
  TOP w0.127: R10.2 18.74,26.75 Q3.3 ; J11.96 v1(38.37,35.08)
  LAY3 w0.127: v1(18.27,27.21) 18.27,31.83 18.73,32.29 18.73,35.52 v1(18.48,35.77)
  LAY4 w0.127: v1(18.48,35.77) 18.71,36 31.5,36 31.51,36.01 37.54,36.01 38.37,35.17 v1(38.37,35.08)
